# KiCad board knobdeavour.kicad_pcb (continued)
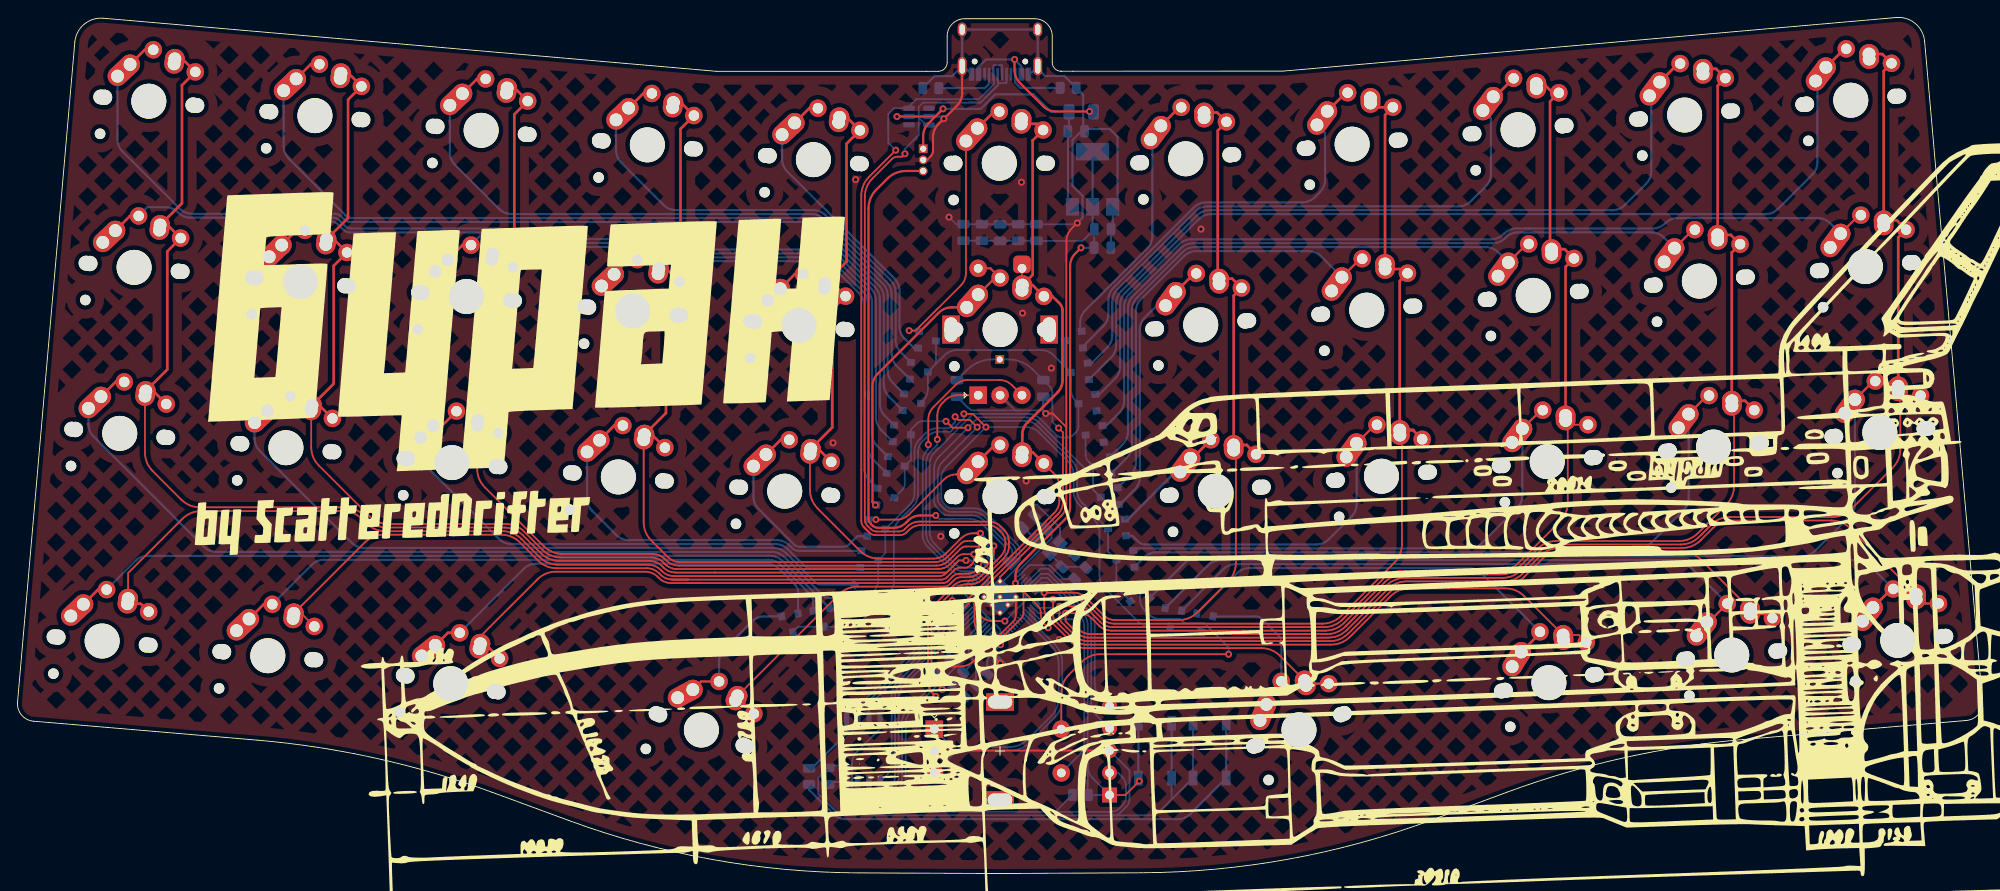
[diagram p0: board, top side]
## Routing (per net, layer and track width the routed paths; a pad name or vN(x,y) marks a point on that pad's centre or on a via; arc(x,y) is an arc through that point) (continued)
Net-(D22-Pad2): length 100.4
  Top w0.25: K41.2 211.93,56.28 K41.2
  Bottom w0.25: D22.2 133.47,35.67 arc(134.12,36.1) 134.88,36.26 203.82,36.26 arc(204.58,36.41) 205.23,36.84 206.2,37.81 206.21,37.81 209.24,40.84 arc(209.67,41.49) 209.82,42.25 K41.2
Net-(J0-PadA5): length 7.1
  Bottom w0.25: R7.1 110.46,89.76 110.94,90.24 J0.A5
Net-(J0-PadB5): length 6.3
  Bottom w0.25: R6.1 114.53,89.79 113.94,90.38 J0.B5
Net-(R3-Pad2): length 6.6
  Bottom w0.2: 109.59,27.58 U3.47 ; 109.59,27.58 109.49,27.48 ; 109.59,27.58 109.34,27.33 arc(109.12,27) 109.04,26.62 109.04,24.44 arc(108.97,24.05) 108.75,23.73 R3.2
Net-(R4-Pad2): length 7.7
  Bottom w0.2: R4.2 109.44,26.45 arc(109.52,26.84) 109.74,27.16 110.18,27.6 ; U3.46 110.18,27.6 ; 110.18,27.6 109.76,27.18
unconnected-(U3-Pad36): length 0
unconnected-(U44-Pad4): length 0.3
  Bottom w0.2: 102.15,85.56 U44.4

## Copper pours and planes (outline as drawn; the poured copper is in the pictures)
GND on Top, Bottom: 235.13,-33.9 17.12,-33.9 -16.32,-0.46 -16.32,111.06 235.13,111.06

## Text on the board
B.Silkscreen: GND | LED | +5V | +1.1V
